# Altium PCB POV_LED.PcbDoc (part 2 of 2)
Units mm, origin at the board's own origin, x right, y up, seen from the top; angles counter-clockwise.
Board outline 40 x 140 mm, 2 copper layers (Top Layer, Bottom Layer); 331 components, 319 nets, 969 pads, 326 vias.
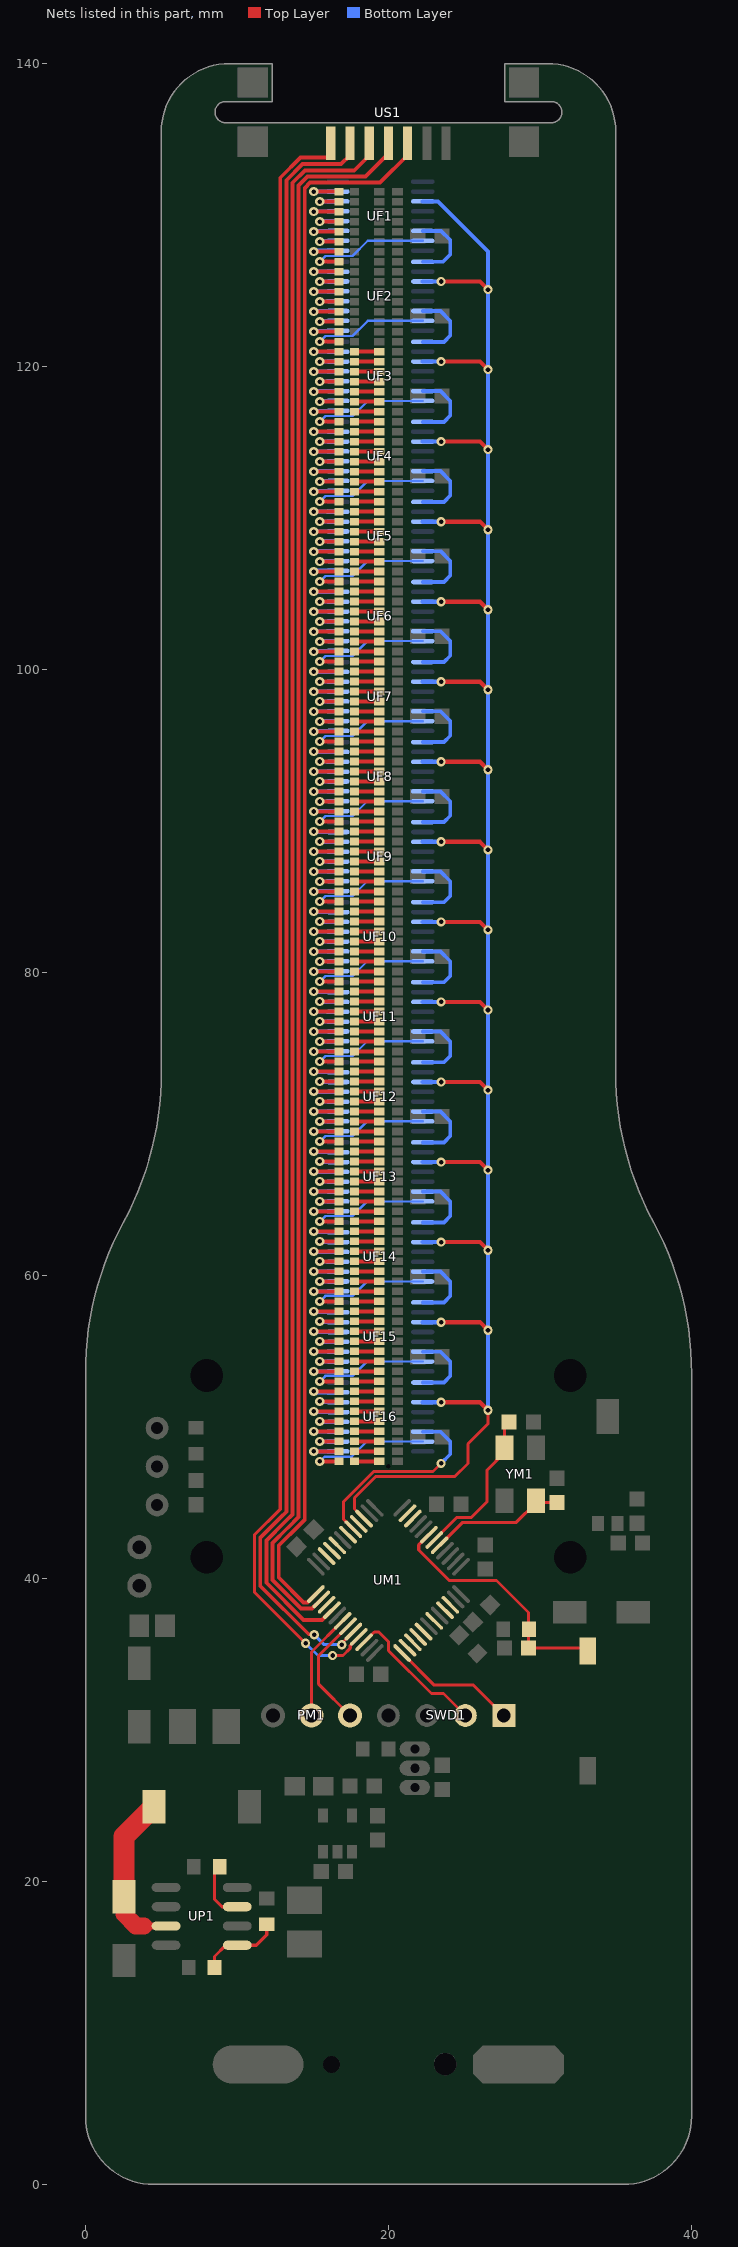
[diagram p2: the nets of this part, all layers, seen from the top]

## Via types
v1: diameter 0.61, hole 0.3, Top Layer to Bottom Layer, tented both sides, 323 vias
v2: diameter 1, hole 0.5, Top Layer to Bottom Layer, tented both sides, 2 vias
v3: diameter 0.8, hole 0.4, Top Layer to Bottom Layer, tented both sides, 1 vias

## Nets (pads, with @x,y where several pads share a name; then routed paths per layer and width w, separated by ;. In a path a pad name is that pad's centre, name@x,y a point inside that pad or via, vN(x,y) a via of type N, cw(c..) or ccw(c..) an arc to the next point about the centre after c; other vN are vias at no path point) (continued)
NetDF17_1: DF17.1 RF17.2 | length 1.7
  Top Layer w0.254: RF17.2@17.744,120.987 DF17.1@19.397,120.987
NetDF18_1: DF18.1 RF18.2 | length 1.7
  Top Layer w0.254: RF18.2@17.744,120.327 DF18.1@19.397,120.327
NetDF19_1: DF19.1 RF19.2 | length 1.7
  Top Layer w0.254: RF19.2@17.744,119.667 DF19.1@19.397,119.667
NetDF20_1: DF20.1 RF20.2 | length 1.7
  Top Layer w0.254: RF20.2@17.744,119.007 DF20.1@19.397,119.007
NetDF21_1: DF21.1 RF21.2 | length 1.7
  Top Layer w0.254: RF21.2@17.744,118.347 DF21.1@19.397,118.347
NetDF22_1: DF22.1 RF22.2 | length 1.7
  Top Layer w0.254: RF22.2@17.744,117.687 DF22.1@19.397,117.687
NetDF23_1: DF23.1 RF23.2 | length 1.7
  Top Layer w0.254: RF23.2@17.744,117.027 DF23.1@19.397,117.027
NetDF24_1: DF24.1 RF24.2 | length 1.7
  Top Layer w0.254: RF24.2@17.744,116.367 DF24.1@19.397,116.367
NetDF25_1: DF25.1 RF25.2 | length 1.7
  Top Layer w0.254: RF25.2@17.744,115.707 DF25.1@19.397,115.707
NetDF26_1: DF26.1 RF26.2 | length 1.7
  Top Layer w0.254: RF26.2@17.744,115.047 DF26.1@19.397,115.047
NetDF27_1: DF27.1 RF27.2 | length 1.7
  Top Layer w0.254: RF27.2@17.744,114.387 DF27.1@19.397,114.387
NetDF28_1: DF28.1 RF28.2 | length 1.7
  Top Layer w0.254: RF28.2@17.744,113.727 DF28.1@19.397,113.727
NetDF29_1: DF29.1 RF29.2 | length 1.7
  Top Layer w0.254: RF29.2@17.744,113.067 DF29.1@19.397,113.067
NetDF30_1: DF30.1 RF30.2 | length 1.7
  Top Layer w0.254: RF30.2@17.744,112.407 DF30.1@19.397,112.407
NetDF31_1: DF31.1 RF31.2 | length 1.7
  Top Layer w0.254: RF31.2@17.744,111.747 DF31.1@19.397,111.747
NetDF32_1: DF32.1 RF32.2 | length 1.7
  Top Layer w0.254: RF32.2@17.744,111.087 DF32.1@19.397,111.087
NetDF33_1: DF33.1 RF33.2 | length 1.7
  Top Layer w0.254: RF33.2@17.744,110.427 DF33.1@19.397,110.427
NetDF34_1: DF34.1 RF34.2 | length 1.7
  Top Layer w0.254: RF34.2@17.744,109.767 DF34.1@19.397,109.767
NetDF35_1: DF35.1 RF35.2 | length 1.7
  Top Layer w0.254: RF35.2@17.744,109.107 DF35.1@19.397,109.107
NetDF36_1: DF36.1 RF36.2 | length 1.7
  Top Layer w0.254: RF36.2@17.744,108.447 DF36.1@19.397,108.447
NetDF37_1: DF37.1 RF37.2 | length 1.7
  Top Layer w0.254: RF37.2@17.744,107.787 DF37.1@19.397,107.787
NetDF38_1: DF38.1 RF38.2 | length 1.7
  Top Layer w0.254: RF38.2@17.744,107.127 DF38.1@19.397,107.127
NetDF39_1: DF39.1 RF39.2 | length 1.7
  Top Layer w0.254: RF39.2@17.744,106.467 DF39.1@19.397,106.467
NetDF40_1: DF40.1 RF40.2 | length 1.7
  Top Layer w0.254: RF40.2@17.744,105.807 DF40.1@19.397,105.807
NetDF41_1: DF41.1 RF41.2 | length 1.7
  Top Layer w0.254: RF41.2@17.744,105.147 DF41.1@19.397,105.147
NetDF42_1: DF42.1 RF42.2 | length 1.7
  Top Layer w0.254: RF42.2@17.744,104.487 DF42.1@19.397,104.487
NetDF43_1: DF43.1 RF43.2 | length 1.7
  Top Layer w0.254: RF43.2@17.744,103.827 DF43.1@19.397,103.827
NetDF44_1: DF44.1 RF44.2 | length 1.7
  Top Layer w0.254: RF44.2@17.744,103.167 DF44.1@19.397,103.167
NetDF45_1: DF45.1 RF45.2 | length 1.7
  Top Layer w0.254: RF45.2@17.744,102.507 DF45.1@19.397,102.507
NetDF46_1: DF46.1 RF46.2 | length 1.7
  Top Layer w0.254: RF46.2@17.744,101.847 DF46.1@19.397,101.847
NetDF47_1: DF47.1 RF47.2 | length 1.7
  Top Layer w0.254: RF47.2@17.744,101.187 DF47.1@19.397,101.187
NetDF48_1: DF48.1 RF48.2 | length 1.7
  Top Layer w0.254: RF48.2@17.744,100.527 DF48.1@19.397,100.527
NetDF49_1: DF49.1 RF49.2 | length 1.7
  Top Layer w0.254: RF49.2@17.744,99.867 DF49.1@19.397,99.867
NetDF50_1: DF50.1 RF50.2 | length 1.7
  Top Layer w0.254: RF50.2@17.744,99.207 DF50.1@19.397,99.207
NetDF51_1: DF51.1 RF51.2 | length 1.7
  Top Layer w0.254: RF51.2@17.744,98.547 DF51.1@19.397,98.547
NetDF52_1: DF52.1 RF52.2 | length 1.7
  Top Layer w0.254: RF52.2@17.744,97.887 DF52.1@19.397,97.887
NetDF53_1: DF53.1 RF53.2 | length 1.7
  Top Layer w0.254: RF53.2@17.744,97.227 DF53.1@19.397,97.227
NetDF54_1: DF54.1 RF54.2 | length 1.7
  Top Layer w0.254: RF54.2@17.744,96.567 DF54.1@19.397,96.567
NetDF55_1: DF55.1 RF55.2 | length 1.7
  Top Layer w0.254: RF55.2@17.744,95.907 DF55.1@19.397,95.907
NetDF56_1: DF56.1 RF56.2 | length 1.7
  Top Layer w0.254: RF56.2@17.744,95.247 DF56.1@19.397,95.247
NetDF57_1: DF57.1 RF57.2 | length 1.7
  Top Layer w0.254: RF57.2@17.744,94.587 DF57.1@19.397,94.587
NetDF58_1: DF58.1 RF58.2 | length 1.7
  Top Layer w0.254: RF58.2@17.744,93.927 DF58.1@19.397,93.927
NetDF59_1: DF59.1 RF59.2 | length 1.7
  Top Layer w0.254: RF59.2@17.744,93.267 DF59.1@19.397,93.267
NetDF60_1: DF60.1 RF60.2 | length 1.7
  Top Layer w0.254: RF60.2@17.744,92.607 DF60.1@19.397,92.607
NetDF61_1: DF61.1 RF61.2 | length 1.7
  Top Layer w0.254: RF61.2@17.744,91.947 DF61.1@19.397,91.947
NetDF62_1: DF62.1 RF62.2 | length 1.7
  Top Layer w0.254: RF62.2@17.744,91.287 DF62.1@19.397,91.287
NetDF63_1: DF63.1 RF63.2 | length 1.7
  Top Layer w0.254: RF63.2@17.744,90.627 DF63.1@19.397,90.627
NetDF64_1: DF64.1 RF64.2 | length 1.7
  Top Layer w0.254: RF64.2@17.744,89.967 DF64.1@19.397,89.967
NetDF65_1: DF65.1 RF65.2 | length 1.7
  Top Layer w0.254: RF65.2@17.744,89.307 DF65.1@19.397,89.307
NetDF66_1: DF66.1 RF66.2 | length 1.7
  Top Layer w0.254: RF66.2@17.744,88.647 DF66.1@19.397,88.647
NetDF67_1: DF67.1 RF67.2 | length 1.7
  Top Layer w0.254: RF67.2@17.744,87.987 DF67.1@19.397,87.987
NetDF68_1: DF68.1 RF68.2 | length 1.7
  Top Layer w0.254: RF68.2@17.744,87.327 DF68.1@19.397,87.327
NetDF69_1: DF69.1 RF69.2 | length 1.7
  Top Layer w0.254: RF69.2@17.744,86.667 DF69.1@19.397,86.667
NetDF70_1: DF70.1 RF70.2 | length 1.7
  Top Layer w0.254: RF70.2@17.744,86.007 DF70.1@19.397,86.007
NetDF71_1: DF71.1 RF71.2 | length 1.7
  Top Layer w0.254: RF71.2@17.744,85.347 DF71.1@19.397,85.347
NetDF72_1: DF72.1 RF72.2 | length 1.7
  Top Layer w0.254: RF72.2@17.744,84.687 DF72.1@19.397,84.687
NetDF73_1: DF73.1 RF73.2 | length 1.7
  Top Layer w0.254: RF73.2@17.744,84.027 DF73.1@19.397,84.027
NetDF74_1: DF74.1 RF74.2 | length 1.7
  Top Layer w0.254: RF74.2@17.744,83.367 DF74.1@19.397,83.367
NetDF75_1: DF75.1 RF75.2 | length 1.7
  Top Layer w0.254: RF75.2@17.744,82.707 DF75.1@19.397,82.707
NetDF76_1: DF76.1 RF76.2 | length 1.7
  Top Layer w0.254: RF76.2@17.744,82.047 DF76.1@19.397,82.047
NetDF77_1: DF77.1 RF77.2 | length 1.7
  Top Layer w0.254: RF77.2@17.744,81.387 DF77.1@19.397,81.387
NetDF78_1: DF78.1 RF78.2 | length 1.7
  Top Layer w0.254: RF78.2@17.744,80.727 DF78.1@19.397,80.727
NetDF79_1: DF79.1 RF79.2 | length 1.7
  Top Layer w0.254: RF79.2@17.744,80.067 DF79.1@19.397,80.067
NetDF80_1: DF80.1 RF80.2 | length 1.7
  Top Layer w0.254: RF80.2@17.744,79.407 DF80.1@19.397,79.407
NetDF81_1: DF81.1 RF81.2 | length 1.7
  Top Layer w0.254: RF81.2@17.744,78.747 DF81.1@19.397,78.747
NetDF82_1: DF82.1 RF82.2 | length 1.7
  Top Layer w0.254: RF82.2@17.744,78.087 DF82.1@19.397,78.087
NetDF83_1: DF83.1 RF83.2 | length 1.7
  Top Layer w0.254: RF83.2@17.744,77.427 DF83.1@19.397,77.427
NetDF84_1: DF84.1 RF84.2 | length 1.7
  Top Layer w0.254: RF84.2@17.744,76.767 DF84.1@19.397,76.767
NetDF85_1: DF85.1 RF85.2 | length 1.7
  Top Layer w0.254: RF85.2@17.744,76.107 DF85.1@19.397,76.107
NetDF86_1: DF86.1 RF86.2 | length 1.7
  Top Layer w0.254: RF86.2@17.744,75.447 DF86.1@19.397,75.447
NetDF87_1: DF87.1 RF87.2 | length 1.7
  Top Layer w0.254: RF87.2@17.744,74.787 DF87.1@19.397,74.787
NetDF88_1: DF88.1 RF88.2 | length 1.7
  Top Layer w0.254: RF88.2@17.744,74.127 DF88.1@19.397,74.127
NetDF89_1: DF89.1 RF89.2 | length 1.7
  Top Layer w0.254: RF89.2@17.744,73.467 DF89.1@19.397,73.467
NetDF90_1: DF90.1 RF90.2 | length 1.7
  Top Layer w0.254: RF90.2@17.744,72.807 DF90.1@19.397,72.807
NetDF91_1: DF91.1 RF91.2 | length 1.7
  Top Layer w0.254: RF91.2@17.744,72.147 DF91.1@19.397,72.147
NetDF92_1: DF92.1 RF92.2 | length 1.7
  Top Layer w0.254: RF92.2@17.744,71.487 DF92.1@19.397,71.487
NetDF93_1: DF93.1 RF93.2 | length 1.7
  Top Layer w0.254: RF93.2@17.744,70.827 DF93.1@19.397,70.827
NetDF94_1: DF94.1 RF94.2 | length 1.7
  Top Layer w0.254: RF94.2@17.744,70.167 DF94.1@19.397,70.167
NetDF95_1: DF95.1 RF95.2 | length 1.7
  Top Layer w0.254: RF95.2@17.744,69.507 DF95.1@19.397,69.507
NetDF96_1: DF96.1 RF96.2 | length 1.7
  Top Layer w0.254: RF96.2@17.744,68.847 DF96.1@19.397,68.847
NetDF97_1: DF97.1 RF97.2 | length 1.7
  Top Layer w0.254: RF97.2@17.744,68.187 DF97.1@19.397,68.187
NetDF98_1: DF98.1 RF98.2 | length 1.7
  Top Layer w0.254: RF98.2@17.744,67.527 DF98.1@19.397,67.527
NetDF99_1: DF99.1 RF99.2 | length 1.7
  Top Layer w0.254: RF99.2@17.744,66.867 DF99.1@19.397,66.867
NetDF100_1: DF100.1 RF100.2 | length 1.7
  Top Layer w0.254: RF100.2@17.744,66.207 DF100.1@19.397,66.207
NetDF101_1: DF101.1 RF101.2 | length 1.7
  Top Layer w0.254: RF101.2@17.744,65.547 DF101.1@19.397,65.547
NetDF102_1: DF102.1 RF102.2 | length 1.7
  Top Layer w0.254: RF102.2@17.744,64.887 DF102.1@19.397,64.887
NetDF103_1: DF103.1 RF103.2 | length 1.7
  Top Layer w0.254: RF103.2@17.744,64.227 DF103.1@19.397,64.227
NetDF104_1: DF104.1 RF104.2 | length 1.7
  Top Layer w0.254: RF104.2@17.744,63.567 DF104.1@19.397,63.567
NetDF105_1: DF105.1 RF105.2 | length 1.7
  Top Layer w0.254: RF105.2@17.744,62.907 DF105.1@19.397,62.907
NetDF106_1: DF106.1 RF106.2 | length 1.7
  Top Layer w0.254: RF106.2@17.744,62.247 DF106.1@19.397,62.247
NetDF107_1: DF107.1 RF107.2 | length 1.7
  Top Layer w0.254: RF107.2@17.744,61.587 DF107.1@19.397,61.587
NetDF108_1: DF108.1 RF108.2 | length 1.7
  Top Layer w0.254: RF108.2@17.744,60.927 DF108.1@19.397,60.927
NetDF109_1: DF109.1 RF109.2 | length 1.7
  Top Layer w0.254: RF109.2@17.744,60.267 DF109.1@19.397,60.267
NetDF110_1: DF110.1 RF110.2 | length 1.7
  Top Layer w0.254: RF110.2@17.744,59.607 DF110.1@19.397,59.607
NetDF111_1: DF111.1 RF111.2 | length 1.7
  Top Layer w0.254: RF111.2@17.744,58.947 DF111.1@19.397,58.947
NetDF112_1: DF112.1 RF112.2 | length 1.7
  Top Layer w0.254: RF112.2@17.744,58.287 DF112.1@19.397,58.287
NetDF113_1: DF113.1 RF113.2 | length 1.7
  Top Layer w0.254: RF113.2@17.744,57.627 DF113.1@19.397,57.627
NetDF114_1: DF114.1 RF114.2 | length 1.7
  Top Layer w0.254: RF114.2@17.744,56.967 DF114.1@19.397,56.967
NetDF115_1: DF115.1 RF115.2 | length 1.7
  Top Layer w0.254: RF115.2@17.744,56.307 DF115.1@19.397,56.307
NetDF116_1: DF116.1 RF116.2 | length 1.7
  Top Layer w0.254: RF116.2@17.744,55.647 DF116.1@19.397,55.647
NetDF117_1: DF117.1 RF117.2 | length 1.7
  Top Layer w0.254: RF117.2@17.744,54.987 DF117.1@19.397,54.987
NetDF118_1: DF118.1 RF118.2 | length 1.7
  Top Layer w0.254: RF118.2@17.744,54.327 DF118.1@19.397,54.327
NetDF119_1: DF119.1 RF119.2 | length 1.7
  Top Layer w0.254: RF119.2@17.744,53.667 DF119.1@19.397,53.667
NetDF120_1: DF120.1 RF120.2 | length 1.7
  Top Layer w0.254: RF120.2@17.744,53.007 DF120.1@19.397,53.007
NetDF121_1: DF121.1 RF121.2 | length 1.7
  Top Layer w0.254: RF121.2@17.744,52.347 DF121.1@19.397,52.347
NetDF122_1: DF122.1 RF122.2 | length 1.7
  Top Layer w0.254: RF122.2@17.744,51.687 DF122.1@19.397,51.687
NetDF123_1: DF123.1 RF123.2 | length 1.7
  Top Layer w0.254: RF123.2@17.744,51.027 DF123.1@19.397,51.027
NetDF124_1: DF124.1 RF124.2 | length 1.7
  Top Layer w0.254: RF124.2@17.744,50.367 DF124.1@19.397,50.367
NetDF125_1: DF125.1 RF125.2 | length 1.7
  Top Layer w0.254: RF125.2@17.744,49.707 DF125.1@19.397,49.707
NetDF126_1: DF126.1 RF126.2 | length 1.7
  Top Layer w0.254: RF126.2@17.744,49.047 DF126.1@19.397,49.047
NetDF127_1: DF127.1 RF127.2 | length 1.7
  Top Layer w0.254: RF127.2@17.744,48.387 DF127.1@19.397,48.387
NetDF128_1: DF128.1 RF128.2 | length 1.7
  Top Layer w0.254: RF128.2@17.744,47.727 DF128.1@19.397,47.727
NetDP2_2: DP2.2 LP2.1 UP1.3 | length 10.5
  Top Layer w0.483: 2.54,17.851 DP2.2@2.54,18.986 ; UP1.3@4.371,17.064 UP1.3@5.319,17.064
  Top Layer w1.143: 2.54,17.851 3.325,17.066 3.861,17.066
  Top Layer w1.397: DP2.2@2.54,18.986 2.54,22.959 LP2.1@4.519,24.938
NetRF1_1: RF1.1 UF1.7 | length 3.3
  Top Layer w0.254: v1(15.06,131.546) RF1.1@16.744,131.546
  Bottom Layer w0.254: v1(15.06,131.546) UF1.7@16.66,131.546
NetRF2_1: RF2.1 UF1.6 | length 2.5
  Top Layer w0.254: v1(15.466,130.886) RF2.1@16.744,130.886
  Bottom Layer w0.254: v1@15.476,130.896 UF1.6@16.66,130.896
NetRF3_1: RF3.1 UF1.5 | length 3.3
  Top Layer w0.254: v1(15.06,130.226) RF3.1@16.744,130.226
  Bottom Layer w0.254: v1@15.06,130.246 UF1.5@16.66,130.246
NetRF4_1: RF4.1 UF1.4 | length 2.5
  Top Layer w0.254: v1(15.466,129.566) RF4.1@16.744,129.566
  Bottom Layer w0.254: v1@15.476,129.596 UF1.4@16.66,129.596
NetRF5_1: RF5.1 UF1.3 | length 3.3
  Top Layer w0.254: v1(15.06,128.906) RF5.1@16.744,128.906
  Bottom Layer w0.254: v1@15.06,128.946 UF1.3@16.66,128.946
NetRF6_1: RF6.1 UF1.2 | length 2.5
  Top Layer w0.254: v1(15.466,128.247) RF6.1@16.744,128.247
  Bottom Layer w0.254: v1@15.476,128.296 UF1.2@16.66,128.296
NetRF7_1: RF7.1 UF1.1 | length 3.3
  Top Layer w0.254: v1(15.06,127.587) RF7.1@16.744,127.587
  Bottom Layer w0.254: v1@15.06,127.646 UF1.1@16.66,127.646
NetRF8_1: RF8.1 UF1.15 | length 8.6
  Top Layer w0.254: v1(15.466,126.927) RF8.1@16.744,126.927
  Bottom Layer w0.152: v1(15.466,126.927) 15.833,127.293 17.628,127.293 18.631,128.296 UF1.15@22.26,128.296
NetRF9_1: RF9.1 UF2.7 | length 3.3
  Top Layer w0.254: v1(15.06,126.267) RF9.1@16.744,126.267
  Bottom Layer w0.254: v1@15.06,126.263 UF2.7@16.66,126.263
NetRF10_1: RF10.1 UF2.6 | length 2.5
  Top Layer w0.254: v1(15.466,125.607) RF10.1@16.744,125.607
  Bottom Layer w0.254: v1@15.476,125.613 UF2.6@16.66,125.613
NetRF11_1: RF11.1 UF2.5 | length 3.3
  Top Layer w0.254: v1(15.06,124.947) RF11.1@16.744,124.947
  Bottom Layer w0.254: v1@15.06,124.963 UF2.5@16.66,124.963
NetRF12_1: RF12.1 UF2.4 | length 2.5
  Top Layer w0.254: v1(15.466,124.287) RF12.1@16.744,124.287
  Bottom Layer w0.254: v1@15.476,124.313 UF2.4@16.66,124.313
NetRF13_1: RF13.1 UF2.3 | length 3.3
  Top Layer w0.254: v1(15.06,123.627) RF13.1@16.744,123.627
  Bottom Layer w0.254: v1@15.06,123.663 UF2.3@16.66,123.663
NetRF14_1: RF14.1 UF2.2 | length 2.5
  Top Layer w0.254: v1(15.466,122.967) RF14.1@16.744,122.967
  Bottom Layer w0.254: v1@15.476,123.013 UF2.2@16.66,123.013
NetRF15_1: RF15.1 UF2.1 | length 3.3
  Top Layer w0.254: v1(15.06,122.307) RF15.1@16.744,122.307
  Bottom Layer w0.254: v1@15.06,122.363 UF2.1@16.66,122.363
NetRF16_1: RF16.1 UF2.15 | length 8.6
  Top Layer w0.254: v1(15.466,121.647) RF16.1@16.744,121.647
  Bottom Layer w0.152: v1(15.466,121.647) 15.833,122.013 17.628,122.013 18.627,123.013 UF2.15@22.26,123.013
NetRF17_1: RF17.1 UF3.7 | length 3.3
  Top Layer w0.254: v1(15.06,120.987) RF17.1@16.744,120.987
  Bottom Layer w0.254: v1@15.06,120.979 UF3.7@16.66,120.979
NetRF18_1: RF18.1 UF3.6 | length 2.5
  Top Layer w0.254: v1(15.466,120.327) RF18.1@16.744,120.327
  Bottom Layer w0.254: v1@15.476,120.329 UF3.6@16.66,120.329
NetRF19_1: RF19.1 UF3.5 | length 3.3
  Top Layer w0.254: v1(15.06,119.667) RF19.1@16.744,119.667
  Bottom Layer w0.254: v1@15.06,119.679 UF3.5@16.66,119.679
NetRF20_1: RF20.1 UF3.4 | length 2.5
  Top Layer w0.254: v1(15.466,119.007) RF20.1@16.744,119.007
  Bottom Layer w0.254: v1@15.476,119.029 UF3.4@16.66,119.029
NetRF21_1: RF21.1 UF3.3 | length 3.3
  Top Layer w0.254: v1(15.06,118.347) RF21.1@16.744,118.347
  Bottom Layer w0.254: v1@15.06,118.379 UF3.3@16.66,118.379
NetRF22_1: RF22.1 UF3.2 | length 2.5
  Top Layer w0.254: v1(15.466,117.687) RF22.1@16.744,117.687
  Bottom Layer w0.254: v1@15.476,117.729 UF3.2@16.66,117.729
NetRF23_1: RF23.1 UF3.1 | length 3.3
  Top Layer w0.254: v1(15.06,117.027) RF23.1@16.744,117.027
  Bottom Layer w0.254: v1@15.06,117.079 UF3.1@16.66,117.079
NetRF24_1: RF24.1 UF3.15 | length 8.6
  Top Layer w0.254: v1(15.466,116.367) RF24.1@16.744,116.367
  Bottom Layer w0.152: v1(15.466,116.367) 15.833,116.733 17.628,116.733 18.623,117.729 UF3.15@22.26,117.729
NetRF25_1: RF25.1 UF4.7 | length 3.3
  Top Layer w0.254: v1(15.06,115.707) RF25.1@16.744,115.707
  Bottom Layer w0.254: v1@15.06,115.695 UF4.7@16.66,115.695
NetRF26_1: RF26.1 UF4.6 | length 2.5
  Top Layer w0.254: v1(15.466,115.047) RF26.1@16.744,115.047
  Bottom Layer w0.254: v1@15.476,115.045 UF4.6@16.66,115.045
NetRF27_1: RF27.1 UF4.5 | length 3.3
  Top Layer w0.254: v1(15.06,114.387) RF27.1@16.744,114.387
  Bottom Layer w0.254: v1@15.06,114.395 UF4.5@16.66,114.395
NetRF28_1: RF28.1 UF4.4 | length 2.5
  Top Layer w0.254: v1(15.466,113.727) RF28.1@16.744,113.727
  Bottom Layer w0.254: v1@15.476,113.745 UF4.4@16.66,113.745
NetRF29_1: RF29.1 UF4.3 | length 3.3
  Top Layer w0.254: v1(15.06,113.067) RF29.1@16.744,113.067
  Bottom Layer w0.254: v1@15.06,113.095 UF4.3@16.66,113.095
NetRF30_1: RF30.1 UF4.2 | length 2.5
  Top Layer w0.254: v1(15.466,112.407) RF30.1@16.744,112.407
  Bottom Layer w0.254: v1@15.476,112.445 UF4.2@16.66,112.445
NetRF31_1: RF31.1 UF4.1 | length 3.3
  Top Layer w0.254: v1(15.06,111.747) RF31.1@16.744,111.747
  Bottom Layer w0.254: v1@15.06,111.795 UF4.1@16.66,111.795
NetRF32_1: RF32.1 UF4.15 | length 8.6
  Top Layer w0.254: v1(15.466,111.087) RF32.1@16.744,111.087
  Bottom Layer w0.152: v1(15.466,111.087) 15.833,111.453 17.628,111.453 18.619,112.445 UF4.15@22.26,112.445
NetRF33_1: RF33.1 UF5.7 | length 3.3
  Top Layer w0.254: v1(15.06,110.427) RF33.1@16.744,110.427
  Bottom Layer w0.254: v1@15.144,110.427 UF5.7@16.744,110.427
NetRF34_1: RF34.1 UF5.6 | length 2.5
  Top Layer w0.254: v1(15.466,109.767) RF34.1@16.744,109.767
  Bottom Layer w0.254: v1@15.561,109.777 UF5.6@16.744,109.777
NetRF35_1: RF35.1 UF5.5 | length 3.3
  Top Layer w0.254: v1(15.06,109.107) RF35.1@16.744,109.107
  Bottom Layer w0.254: v1@15.144,109.127 UF5.5@16.744,109.127
NetRF36_1: RF36.1 UF5.4 | length 2.5
  Top Layer w0.254: v1(15.466,108.447) RF36.1@16.744,108.447
  Bottom Layer w0.254: v1@15.561,108.477 UF5.4@16.744,108.477
NetRF37_1: RF37.1 UF5.3 | length 3.3
  Top Layer w0.254: v1(15.06,107.787) RF37.1@16.744,107.787
  Bottom Layer w0.254: v1@15.144,107.827 UF5.3@16.744,107.827
NetRF38_1: RF38.1 UF5.2 | length 2.5
  Top Layer w0.254: v1(15.466,107.127) RF38.1@16.744,107.127
  Bottom Layer w0.254: v1@15.561,107.177 UF5.2@16.744,107.177
NetRF39_1: RF39.1 UF5.1 | length 3.3
  Top Layer w0.254: v1(15.06,106.467) RF39.1@16.744,106.467
  Bottom Layer w0.254: v1@15.144,106.527 UF5.1@16.744,106.527
NetRF40_1: RF40.1 UF5.15 | length 8.6
  Top Layer w0.254: v1(15.466,105.807) RF40.1@16.744,105.807
  Bottom Layer w0.152: v1(15.466,105.807) 15.833,106.173 17.628,106.173 18.615,107.161 UF5.15@22.26,107.161
NetRF41_1: RF41.1 UF6.7 | length 3.3
  Top Layer w0.254: v1(15.06,105.147) RF41.1@16.744,105.147
  Bottom Layer w0.254: v1@15.06,105.127 UF6.7@16.66,105.127
NetRF42_1: RF42.1 UF6.6 | length 2.5
  Top Layer w0.254: v1(15.466,104.487) RF42.1@16.744,104.487
  Bottom Layer w0.254: v1@15.476,104.477 UF6.6@16.66,104.477
NetRF43_1: RF43.1 UF6.5 | length 3.3
  Top Layer w0.254: v1(15.06,103.827) RF43.1@16.744,103.827
  Bottom Layer w0.254: v1(15.06,103.827) UF6.5@16.66,103.827
NetRF44_1: RF44.1 UF6.4 | length 2.5
  Top Layer w0.254: v1(15.466,103.167) RF44.1@16.744,103.167
  Bottom Layer w0.254: v1@15.476,103.177 UF6.4@16.66,103.177
NetRF45_1: RF45.1 UF6.3 | length 3.3
  Top Layer w0.254: v1(15.06,102.507) RF45.1@16.744,102.507
  Bottom Layer w0.254: v1@15.06,102.527 UF6.3@16.66,102.527
NetRF46_1: RF46.1 UF6.2 | length 2.5
  Top Layer w0.254: v1(15.466,101.847) RF46.1@16.744,101.847
  Bottom Layer w0.254: v1@15.476,101.877 UF6.2@16.66,101.877
NetRF47_1: RF47.1 UF6.1 | length 3.3
  Top Layer w0.254: v1(15.06,101.187) RF47.1@16.744,101.187
  Bottom Layer w0.254: v1@15.06,101.227 UF6.1@16.66,101.227
NetRF48_1: RF48.1 UF6.15 | length 8.6
  Top Layer w0.254: v1(15.466,100.527) RF48.1@16.744,100.527
  Bottom Layer w0.152: v1(15.466,100.527) 15.833,100.893 17.628,100.893 18.611,101.877 UF6.15@22.26,101.877
NetRF49_1: RF49.1 UF7.7 | length 3.3
  Top Layer w0.254: v1(15.06,99.867) RF49.1@16.744,99.867
  Bottom Layer w0.254: v1@15.06,99.843 UF7.7@16.66,99.843
NetRF50_1: RF50.1 UF7.6 | length 2.5
  Top Layer w0.254: v1(15.466,99.207) RF50.1@16.744,99.207
  Bottom Layer w0.254: v1@15.476,99.193 UF7.6@16.66,99.193
NetRF51_1: RF51.1 UF7.5 | length 3.3
  Top Layer w0.254: v1(15.06,98.547) RF51.1@16.744,98.547
  Bottom Layer w0.254: v1@15.06,98.543 UF7.5@16.66,98.543
NetRF52_1: RF52.1 UF7.4 | length 2.5
  Top Layer w0.254: v1(15.466,97.887) RF52.1@16.744,97.887
  Bottom Layer w0.254: v1@15.476,97.893 UF7.4@16.66,97.893
NetRF53_1: RF53.1 UF7.3 | length 3.3
  Top Layer w0.254: v1(15.06,97.227) RF53.1@16.744,97.227
  Bottom Layer w0.254: v1@15.06,97.243 UF7.3@16.66,97.243
NetRF54_1: RF54.1 UF7.2 | length 2.5
  Top Layer w0.254: v1(15.466,96.567) RF54.1@16.744,96.567
  Bottom Layer w0.254: v1@15.476,96.593 UF7.2@16.66,96.593
NetRF55_1: RF55.1 UF7.1 | length 3.3
  Top Layer w0.254: v1(15.06,95.907) RF55.1@16.744,95.907
  Bottom Layer w0.254: v1@15.06,95.943 UF7.1@16.66,95.943
NetRF56_1: RF56.1 UF7.15 | length 8.6
  Top Layer w0.254: v1(15.466,95.247) RF56.1@16.744,95.247
  Bottom Layer w0.152: v1(15.466,95.247) 15.833,95.613 17.628,95.613 18.607,96.593 UF7.15@22.26,96.593
NetRF57_1: RF57.1 UF8.7 | length 3.3
  Top Layer w0.254: v1(15.06,94.587) RF57.1@16.744,94.587
  Bottom Layer w0.254: v1@15.06,94.559 UF8.7@16.66,94.559
NetRF58_1: RF58.1 UF8.6 | length 2.5
  Top Layer w0.254: v1(15.466,93.927) RF58.1@16.744,93.927
  Bottom Layer w0.254: v1@15.476,93.909 UF8.6@16.66,93.909
NetRF59_1: RF59.1 UF8.5 | length 3.3
  Top Layer w0.254: v1(15.06,93.267) RF59.1@16.744,93.267
  Bottom Layer w0.254: v1@15.06,93.259 UF8.5@16.66,93.259
NetRF60_1: RF60.1 UF8.4 | length 2.5
  Top Layer w0.254: v1(15.466,92.607) RF60.1@16.744,92.607
  Bottom Layer w0.254: v1@15.476,92.609 UF8.4@16.66,92.609
NetRF61_1: RF61.1 UF8.3 | length 3.3
  Top Layer w0.254: v1(15.06,91.947) RF61.1@16.744,91.947
  Bottom Layer w0.254: v1@15.06,91.959 UF8.3@16.66,91.959
NetRF62_1: RF62.1 UF8.2 | length 2.5
  Top Layer w0.254: v1(15.466,91.287) RF62.1@16.744,91.287
  Bottom Layer w0.254: v1@15.476,91.309 UF8.2@16.66,91.309
NetRF63_1: RF63.1 UF8.1 | length 3.3
  Top Layer w0.254: v1(15.06,90.627) RF63.1@16.744,90.627
  Bottom Layer w0.254: v1@15.06,90.659 UF8.1@16.66,90.659
NetRF64_1: RF64.1 UF8.15 | length 8.6
  Top Layer w0.254: v1(15.466,89.967) RF64.1@16.744,89.967
  Bottom Layer w0.152: v1(15.466,89.967) 15.833,90.333 17.628,90.333 18.603,91.309 UF8.15@22.26,91.309
NetRF65_1: RF65.1 UF9.7 | length 3.3
  Top Layer w0.254: v1(15.06,89.307) RF65.1@16.744,89.307
  Bottom Layer w0.254: v1@15.06,89.275 UF9.7@16.66,89.275
NetRF66_1: RF66.1 UF9.6 | length 2.5
  Top Layer w0.254: v1(15.466,88.647) RF66.1@16.744,88.647
  Bottom Layer w0.254: v1@15.476,88.625 UF9.6@16.66,88.625
NetRF67_1: RF67.1 UF9.5 | length 3.3
  Top Layer w0.254: v1(15.06,87.987) RF67.1@16.744,87.987
  Bottom Layer w0.254: v1@15.06,87.975 UF9.5@16.66,87.975
NetRF68_1: RF68.1 UF9.4 | length 2.5
  Top Layer w0.254: v1(15.466,87.327) RF68.1@16.744,87.327
  Bottom Layer w0.254: v1@15.476,87.325 UF9.4@16.66,87.325
NetRF69_1: RF69.1 UF9.3 | length 3.3
  Top Layer w0.254: v1(15.06,86.667) RF69.1@16.744,86.667
  Bottom Layer w0.254: v1@15.06,86.675 UF9.3@16.66,86.675
NetRF70_1: RF70.1 UF9.2 | length 2.5
  Top Layer w0.254: v1(15.466,86.007) RF70.1@16.744,86.007
  Bottom Layer w0.254: v1@15.476,86.025 UF9.2@16.66,86.025
NetRF71_1: RF71.1 UF9.1 | length 3.3
  Top Layer w0.254: v1(15.06,85.347) RF71.1@16.744,85.347
  Bottom Layer w0.254: v1@15.06,85.375 UF9.1@16.66,85.375
NetRF72_1: RF72.1 UF9.15 | length 8.6
  Top Layer w0.254: v1(15.466,84.687) RF72.1@16.744,84.687
  Bottom Layer w0.152: v1(15.466,84.687) 15.833,85.054 17.628,85.054 18.599,86.025 UF9.15@22.26,86.025
NetRF73_1: RF73.1 UF10.7 | length 3.3
  Top Layer w0.254: v1(15.06,84.027) RF73.1@16.744,84.027
  Bottom Layer w0.254: v1@15.06,83.991 UF10.7@16.66,83.991
NetRF74_1: RF74.1 UF10.6 | length 2.5
  Top Layer w0.254: v1(15.466,83.367) RF74.1@16.744,83.367
  Bottom Layer w0.254: v1@15.476,83.341 UF10.6@16.66,83.341
NetRF75_1: RF75.1 UF10.5 | length 3.3
  Top Layer w0.254: v1(15.06,82.707) RF75.1@16.744,82.707
  Bottom Layer w0.254: v1@15.06,82.691 UF10.5@16.66,82.691
NetRF76_1: RF76.1 UF10.4 | length 2.5
  Top Layer w0.254: v1(15.466,82.047) RF76.1@16.744,82.047
  Bottom Layer w0.254: v1@15.476,82.041 UF10.4@16.66,82.041
NetRF77_1: RF77.1 UF10.3 | length 3.3
  Top Layer w0.254: v1(15.06,81.387) RF77.1@16.744,81.387
  Bottom Layer w0.254: v1@15.06,81.391 UF10.3@16.66,81.391
NetRF78_1: RF78.1 UF10.2 | length 2.5
  Top Layer w0.254: v1(15.466,80.727) RF78.1@16.744,80.727
  Bottom Layer w0.254: v1@15.476,80.741 UF10.2@16.66,80.741
NetRF79_1: RF79.1 UF10.1 | length 3.3
  Top Layer w0.254: v1(15.06,80.067) RF79.1@16.744,80.067
  Bottom Layer w0.254: v1@15.06,80.091 UF10.1@16.66,80.091
NetRF80_1: RF80.1 UF10.15 | length 8.6
  Top Layer w0.254: v1(15.466,79.407) RF80.1@16.744,79.407
  Bottom Layer w0.152: v1(15.466,79.407) 15.833,79.774 17.628,79.774 18.595,80.741 UF10.15@22.26,80.741
NetRF81_1: RF81.1 UF11.7 | length 3.3
  Top Layer w0.254: v1(15.06,78.747) RF81.1@16.744,78.747
  Bottom Layer w0.254: v1@15.06,78.707 UF11.7@16.66,78.707
NetRF82_1: RF82.1 UF11.6 | length 2.5
  Top Layer w0.254: v1(15.466,78.087) RF82.1@16.744,78.087
  Bottom Layer w0.254: v1@15.476,78.057 UF11.6@16.66,78.057
NetRF83_1: RF83.1 UF11.5 | length 3.3
  Top Layer w0.254: v1(15.06,77.427) RF83.1@16.744,77.427
  Bottom Layer w0.254: v1@15.06,77.407 UF11.5@16.66,77.407
NetRF84_1: RF84.1 UF11.4 | length 2.5
  Top Layer w0.254: v1(15.466,76.767) RF84.1@16.744,76.767
  Bottom Layer w0.254: v1@15.476,76.757 UF11.4@16.66,76.757
NetRF85_1: RF85.1 UF11.3 | length 3.3
  Top Layer w0.254: v1(15.06,76.107) RF85.1@16.744,76.107
  Bottom Layer w0.254: v1(15.06,76.107) UF11.3@16.66,76.107
NetRF86_1: RF86.1 UF11.2 | length 2.5
  Top Layer w0.254: v1(15.466,75.447) RF86.1@16.744,75.447
  Bottom Layer w0.254: v1@15.476,75.457 UF11.2@16.66,75.457
NetRF87_1: RF87.1 UF11.1 | length 3.3
  Top Layer w0.254: v1(15.06,74.787) RF87.1@16.744,74.787
  Bottom Layer w0.254: v1@15.06,74.807 UF11.1@16.66,74.807
NetRF88_1: RF88.1 UF11.15 | length 8.6
  Top Layer w0.254: v1(15.466,74.127) RF88.1@16.744,74.127
  Bottom Layer w0.152: v1(15.466,74.127) 15.833,74.494 17.628,74.494 18.591,75.457 UF11.15@22.26,75.457
NetRF89_1: RF89.1 UF12.7 | length 3.3
  Top Layer w0.254: v1(15.06,73.467) RF89.1@16.744,73.467
  Bottom Layer w0.254: v1@15.06,73.423 UF12.7@16.66,73.423
NetRF90_1: RF90.1 UF12.6 | length 2.5
  Top Layer w0.254: v1(15.466,72.807) RF90.1@16.744,72.807
  Bottom Layer w0.254: v1@15.476,72.773 UF12.6@16.66,72.773
NetRF91_1: RF91.1 UF12.5 | length 3.3
  Top Layer w0.254: v1(15.06,72.147) RF91.1@16.744,72.147
  Bottom Layer w0.254: v1@15.06,72.123 UF12.5@16.66,72.123
NetRF92_1: RF92.1 UF12.4 | length 2.5
  Top Layer w0.254: v1(15.466,71.487) RF92.1@16.744,71.487
  Bottom Layer w0.254: v1@15.476,71.473 UF12.4@16.66,71.473
NetRF93_1: RF93.1 UF12.3 | length 3.3
  Top Layer w0.254: v1(15.06,70.827) RF93.1@16.744,70.827
  Bottom Layer w0.254: v1@15.06,70.823 UF12.3@16.66,70.823
NetRF94_1: RF94.1 UF12.2 | length 2.5
  Top Layer w0.254: v1(15.466,70.167) RF94.1@16.744,70.167
  Bottom Layer w0.254: v1@15.476,70.173 UF12.2@16.66,70.173
NetRF95_1: RF95.1 UF12.1 | length 3.3
  Top Layer w0.254: v1(15.06,69.507) RF95.1@16.744,69.507
  Bottom Layer w0.254: v1@15.06,69.523 UF12.1@16.66,69.523
NetRF96_1: RF96.1 UF12.15 | length 8.6
  Top Layer w0.254: v1(15.466,68.847) RF96.1@16.744,68.847
  Bottom Layer w0.152: v1(15.466,68.847) 15.833,69.214 17.628,69.214 18.587,70.173 UF12.15@22.26,70.173
NetRF97_1: RF97.1 UF13.7 | length 3.3
  Top Layer w0.254: v1(15.06,68.187) RF97.1@16.744,68.187
  Bottom Layer w0.254: v1@15.06,68.139 UF13.7@16.66,68.139
NetRF98_1: RF98.1 UF13.6 | length 2.5
  Top Layer w0.254: v1(15.466,67.527) RF98.1@16.744,67.527
  Bottom Layer w0.254: v1@15.476,67.489 UF13.6@16.66,67.489
NetRF99_1: RF99.1 UF13.5 | length 3.3
  Top Layer w0.254: v1(15.06,66.867) RF99.1@16.744,66.867
  Bottom Layer w0.254: v1@15.06,66.839 UF13.5@16.66,66.839
NetRF100_1: RF100.1 UF13.4 | length 2.5
  Top Layer w0.254: v1(15.466,66.207) RF100.1@16.744,66.207
  Bottom Layer w0.254: v1@15.476,66.189 UF13.4@16.66,66.189
NetRF101_1: RF101.1 UF13.3 | length 3.3
  Top Layer w0.254: v1(15.06,65.547) RF101.1@16.744,65.547
  Bottom Layer w0.254: v1@15.06,65.539 UF13.3@16.66,65.539
NetRF102_1: RF102.1 UF13.2 | length 2.5
  Top Layer w0.254: v1(15.466,64.887) RF102.1@16.744,64.887
  Bottom Layer w0.254: v1@15.476,64.889 UF13.2@16.66,64.889
NetRF103_1: RF103.1 UF13.1 | length 3.3
  Top Layer w0.254: v1(15.06,64.227) RF103.1@16.744,64.227
  Bottom Layer w0.254: v1@15.06,64.239 UF13.1@16.66,64.239
NetRF104_1: RF104.1 UF13.15 | length 8.6
  Top Layer w0.254: v1(15.466,63.567) RF104.1@16.744,63.567
  Bottom Layer w0.152: v1(15.466,63.567) 15.833,63.934 17.628,63.934 18.583,64.889 UF13.15@22.26,64.889
NetRF105_1: RF105.1 UF14.7 | length 3.3
  Top Layer w0.254: v1(15.06,62.907) RF105.1@16.744,62.907
  Bottom Layer w0.254: v1@15.06,62.855 UF14.7@16.66,62.855
NetRF106_1: RF106.1 UF14.6 | length 2.5
  Top Layer w0.254: v1(15.466,62.247) RF106.1@16.744,62.247
  Bottom Layer w0.254: v1@15.476,62.205 UF14.6@16.66,62.205
NetRF107_1: RF107.1 UF14.5 | length 3.3
  Top Layer w0.254: v1(15.06,61.587) RF107.1@16.744,61.587
  Bottom Layer w0.254: v1@15.06,61.555 UF14.5@16.66,61.555
NetRF108_1: RF108.1 UF14.4 | length 2.5
  Top Layer w0.254: v1(15.466,60.927) RF108.1@16.744,60.927
  Bottom Layer w0.254: v1@15.476,60.905 UF14.4@16.66,60.905
NetRF109_1: RF109.1 UF14.3 | length 3.3
  Top Layer w0.254: v1(15.06,60.267) RF109.1@16.744,60.267
  Bottom Layer w0.254: v1@15.06,60.255 UF14.3@16.66,60.255
NetRF110_1: RF110.1 UF14.2 | length 2.5
  Top Layer w0.254: v1(15.466,59.607) RF110.1@16.744,59.607
  Bottom Layer w0.254: v1@15.476,59.605 UF14.2@16.66,59.605
NetRF111_1: RF111.1 UF14.1 | length 3.3
  Top Layer w0.254: v1(15.06,58.947) RF111.1@16.744,58.947
  Bottom Layer w0.254: v1@15.06,58.955 UF14.1@16.66,58.955
NetRF112_1: RF112.1 UF14.15 | length 8.6
  Top Layer w0.254: v1(15.466,58.287) RF112.1@16.744,58.287
  Bottom Layer w0.152: v1(15.466,58.287) 15.833,58.654 17.628,58.654 18.579,59.605 UF14.15@22.26,59.605
NetRF113_1: RF113.1 UF15.7 | length 3.3
  Top Layer w0.254: v1(15.06,57.627) RF113.1@16.744,57.627
  Bottom Layer w0.254: v1@15.06,57.571 UF15.7@16.66,57.571
NetRF114_1: RF114.1 UF15.6 | length 2.5
  Top Layer w0.254: v1(15.466,56.967) RF114.1@16.744,56.967
  Bottom Layer w0.254: v1@15.476,56.921 UF15.6@16.66,56.921
NetRF115_1: RF115.1 UF15.5 | length 3.3
  Top Layer w0.254: v1(15.06,56.307) RF115.1@16.744,56.307
  Bottom Layer w0.254: v1@15.06,56.271 UF15.5@16.66,56.271
NetRF116_1: RF116.1 UF15.4 | length 2.5
  Top Layer w0.254: v1(15.466,55.647) RF116.1@16.744,55.647
  Bottom Layer w0.254: v1@15.476,55.621 UF15.4@16.66,55.621
NetRF117_1: RF117.1 UF15.3 | length 3.3
  Top Layer w0.254: v1(15.06,54.987) RF117.1@16.744,54.987
  Bottom Layer w0.254: v1@15.06,54.971 UF15.3@16.66,54.971
NetRF118_1: RF118.1 UF15.2 | length 2.5
  Top Layer w0.254: v1(15.466,54.327) RF118.1@16.744,54.327
  Bottom Layer w0.254: v1@15.476,54.321 UF15.2@16.66,54.321
NetRF119_1: RF119.1 UF15.1 | length 3.3
  Top Layer w0.254: v1(15.06,53.667) RF119.1@16.744,53.667
  Bottom Layer w0.254: v1@15.06,53.671 UF15.1@16.66,53.671
NetRF120_1: RF120.1 UF15.15 | length 8.6
  Top Layer w0.254: v1(15.466,53.007) RF120.1@16.744,53.007
  Bottom Layer w0.152: v1(15.466,53.007) 15.833,53.374 17.628,53.374 18.575,54.321 UF15.15@22.26,54.321
NetRF121_1: RF121.1 UF16.7 | length 3.3
  Top Layer w0.254: v1(15.06,52.347) RF121.1@16.744,52.347
  Bottom Layer w0.254: v1@15.06,52.287 UF16.7@16.66,52.287
NetRF122_1: RF122.1 UF16.6 | length 2.5
  Top Layer w0.254: v1(15.466,51.687) RF122.1@16.744,51.687
  Bottom Layer w0.254: v1@15.476,51.637 UF16.6@16.66,51.637
NetRF123_1: RF123.1 UF16.5 | length 3.3
  Top Layer w0.254: v1(15.06,51.027) RF123.1@16.744,51.027
  Bottom Layer w0.254: v1@15.06,50.987 UF16.5@16.66,50.987
NetRF124_1: RF124.1 UF16.4 | length 2.5
  Top Layer w0.254: v1(15.466,50.367) RF124.1@16.744,50.367
  Bottom Layer w0.254: v1@15.476,50.337 UF16.4@16.66,50.337
NetRF125_1: RF125.1 UF16.3 | length 3.3
  Top Layer w0.254: v1(15.06,49.707) RF125.1@16.744,49.707
  Bottom Layer w0.254: v1@15.06,49.687 UF16.3@16.66,49.687
NetRF126_1: RF126.1 UF16.2 | length 2.5
  Top Layer w0.254: v1(15.466,49.047) RF126.1@16.744,49.047
  Bottom Layer w0.254: v1@15.476,49.037 UF16.2@16.66,49.037
NetRF127_1: RF127.1 UF16.1 | length 3.3
  Top Layer w0.254: v1(15.06,48.387) RF127.1@16.744,48.387
  Bottom Layer w0.254: v1(15.06,48.387) UF16.1@16.66,48.387
NetRF128_1: RF128.1 UF16.15 | length 8.6
  Top Layer w0.254: v1(15.466,47.727) RF128.1@16.744,47.727
  Bottom Layer w0.152: v1(15.466,47.727) 15.771,48.031 17.565,48.031 18.571,49.037 UF16.15@22.26,49.037
NetRP1_2: RP1.2 UP1.7 | length 3.8
  Top Layer w0.203: RP1.2@8.519,20.924 8.519,18.83 9.015,18.334 UP1.7@10.019,18.334
NetRP2_1: RP2.1 RP3.2 UP1.5 | length 5.5
  Top Layer w0.203: RP3.2@8.519,14.32 8.519,15.049 9.264,15.794 UP1.5@10.019,15.794 11.275,15.794 11.961,16.479 RP2.1@11.961,17.179
PA0: UM1.10
PA1: UM1.11
PA5: UF1.11 UF2.11 UF3.11 UF4.11 UF5.11 UF6.11 UF7.11 UF8.11 UF9.11 UF10.11 UF11.11 UF12.11 UF13.11 UF14.11 UF15.11 UF16.11 UM1.15 | length 164.2
  Top Layer w0.203: UM1.15@18.388,43.956 17.752,44.592 17.752,45.324 19.159,46.731 24.382,46.731 25.245,47.594 25.245,48.89 26.566,50.211 v1(26.566,51.106)
  Top Layer w0.279: v1(23.467,51.637) 26.035,51.637 v1(26.566,51.106) ; v1(23.467,56.921) 26.035,56.921 v1(26.566,56.39) ; v1(23.467,62.205) 26.035,62.205 v1(26.566,61.674) ; v1(23.467,67.489) 26.035,67.489 v1(26.566,66.958) ; v1(23.467,72.773) 26.035,72.773 v1(26.566,72.242) ; v1(23.467,78.057) 26.035,78.057 v1(26.566,77.526) ; v1(23.467,83.341) 26.035,83.341 v1(26.566,82.81) ; v1(23.467,88.625) 26.035,88.625 v1(26.566,88.094) ; v1(23.467,93.909) 26.035,93.909 v1(26.566,93.378) ; v1(23.467,99.193) 26.035,99.193 v1(26.566,98.662) ; v1(23.467,104.477) 26.035,104.477 v1(26.566,103.946) ; v1(23.467,109.761) 26.035,109.761 v1(26.566,109.23) ; v1(23.467,115.045) 26.035,115.045 v1(26.566,114.514) ; v1(23.467,120.329) 26.035,120.329 v1(26.566,119.798) ; v1(23.467,125.613) 26.035,125.613 v1(26.566,125.082)
  Bottom Layer w0.254: v1(26.566,51.106) v1(26.566,56.39) v1(26.566,61.674) v1(26.566,66.958) v1(26.566,72.242) v1(26.566,77.526) v1(26.566,82.81) v1(26.566,88.094) v1(26.566,93.378) v1(26.566,98.662) v1(26.566,103.946) v1(26.566,109.23) v1(26.566,114.514) v1(26.566,119.798) v1(26.566,125.082) 26.566,127.438
  Bottom Layer w0.279: UF16.11@22.26,51.637 v1(23.467,51.637) ; UF15.11@22.26,56.921 v1(23.467,56.921) ; UF14.11@22.26,62.205 v1(23.467,62.205) ; UF13.11@22.26,67.489 v1(23.467,67.489) ; UF12.11@22.26,72.773 v1(23.467,72.773) ; UF11.11@22.26,78.057 v1(23.467,78.057) ; UF10.11@22.26,83.341 v1(23.467,83.341) ; UF9.11@22.26,88.625 v1(23.467,88.625) ; UF8.11@22.26,93.909 v1(23.467,93.909) ; UF7.11@22.26,99.193 v1(23.467,99.193) ; UF6.11@22.26,104.477 v1(23.467,104.477) ; UF5.11@22.26,109.761 v1(23.467,109.761) ; UF4.11@22.26,115.045 v1(23.467,115.045) ; UF3.11@22.26,120.329 v1(23.467,120.329) ; UF2.11@22.26,125.613 v1(23.467,125.613) ; UF1.11@22.26,130.896 23.263,130.896 26.566,127.593 26.566,127.438
PA6: UM1.16
PA7: UF16.14 UM1.17 | length 13.3
  Top Layer w0.203: UM1.17@17.681,43.249 17.041,43.889 17.041,45.08 19.022,47.061 22.934,47.061 v1(23.467,47.594)
  Bottom Layer w0.254: UF16.14@22.26,49.687 23.426,49.687 24.077,49.036 24.077,48.204 v1(23.467,47.594)
PA9: PM1.2 UM1.30 | length 7.1
  Top Layer w0.203: PM1.2@14.917,30.957 14.917,35.146 UM1.30@16.974,37.203
PA10: PM1.1 UM1.31 | length 7.6
  Top Layer w0.203: UM1.31@17.328,36.85 15.39,34.912 15.39,33.024 PM1.1@17.457,30.957
PA11: UM1.32 US1.6 | length 107.3
  Top Layer w0.203: v1@16.865,35.68 UM1.32@17.681,36.496
  Top Layer w0.254: v1(15.094,36.291) 15.069,36.316 14.732,36.316 11.529,39.519 11.529,42.683 13.012,44.165 13.019,44.165 13.257,44.403 13.257,132.293 14.319,133.356 16.874,133.356 17.457,133.938 US1.6@17.457,134.735
  Bottom Layer w0.203: v1(15.094,36.291) 15.754,35.631 v1(16.914,35.631)
PA12: UM1.33 US1.7 | length 108.1
  Top Layer w0.203: 12.85,44.572 11.148,42.87 11.148,39.11 v1(14.526,35.732) ; v1(16.307,34.917) 16.99,34.917 17.473,35.4 17.473,35.581 UM1.33@18.035,36.143
  Top Layer w0.254: 12.85,44.572 12.85,132.462 14.19,133.802 16.187,133.802 US1.7@16.187,134.735
  Bottom Layer w0.203: v1(14.526,35.732) 15.341,34.917 v1(16.307,34.917)
PA13: SWD1.2 UM1.34 | length 9.6
  Top Layer w0.203: UM1.34@18.388,35.789 19.068,36.469 19.359,36.469 19.997,35.831 19.997,35.241 22.832,32.405 23.629,32.405 SWD1.2@25.077,30.957
PA14: SWD1.1 UM1.37 | length 8.4
  Top Layer w0.203: UM1.37@20.899,35.082 23.017,32.964 25.61,32.964 SWD1.1@27.617,30.957
PA15: UM1.38
PB0: UM1.18
PB2: UM1.20
PB3: UM1.39
PB4: UM1.40
PB5: UM1.41
PB7: UM1.43
PB8: UM1.45
PB9: UM1.46
PB10: UM1.21
PB11: UM1.22
PB12: UM1.25 US1.3 | length 104.3
  Top Layer w0.254: UM1.25@15.206,38.971 14.66,38.425 14.4,38.425 12.757,40.068 12.757,42.186 13.517,42.946 13.524,42.946 14.476,43.898 14.476,131.788 14.824,132.137 19.44,132.137 21.267,133.964 US1.3@21.267,134.735
PB13: UM1.26 US1.4 | length 104.5
  Top Layer w0.254: UM1.26@15.56,38.618 14.961,38.019 14.222,38.019 12.35,39.89 12.35,42.354 13.349,43.353 13.355,43.353 14.069,44.067 14.069,131.957 14.656,132.543 18.475,132.543 19.997,134.065 US1.4@19.997,134.735
PB14: UM1.27
PB15: UM1.28 US1.5 | length 105.4
  Top Layer w0.254: UM1.28@16.267,37.911 15.613,37.257 14.4,37.257 11.936,39.72 11.936,42.514 13.18,43.759 13.187,43.759 13.663,44.235 13.663,132.125 14.487,132.949 17.738,132.949 18.727,133.938 US1.5@18.727,134.735
PD0: CM3.2 UM1.5 YM1.2 | length 9
  Top Layer w0.203: UM1.5@23.373,42.189 24.868,43.683 28.408,43.683 29.746,45.021 YM1.2@29.746,45.136 ; YM1.2@29.75,45.016 CM3.2@31.113,45.016
PD1: CM4.2 UM1.6 YM1.1 | length 9.6
  Top Layer w0.203: UM1.6@23.02,42.542 24.516,44.038 25.474,44.038 26.497,45.061 26.497,47.144 YM1.1@27.646,48.293 ; YM1.1@27.646,48.636 CM4.2@27.646,50.021
RST: CM1.2 RM1.1 RST1.2 UM1.7 | length 16.3
  Top Layer w0.203: UM1.7@22.666,42.896 21.994,42.224 21.994,41.882 24.003,39.873 27.125,39.873 29.246,37.752 CM1.2@29.246,35.402 RST1.2@32.958,35.402
SDO9: UF1.14 UF2.9 | length 5
  Bottom Layer w0.254: UF2.9@22.26,126.913 23.588,126.913 24.077,127.401 24.077,128.341 23.472,128.946 UF1.14@22.26,128.946
SDO17: UF2.14 UF3.9 | length 5
  Bottom Layer w0.254: UF3.9@22.26,121.629 23.659,121.629 24.077,122.047 24.077,123.012 23.426,123.663 UF2.14@22.26,123.663
SDO25: UF3.14 UF4.9 | length 5
  Bottom Layer w0.254: UF4.9@22.26,116.345 23.659,116.345 24.077,116.763 24.077,117.728 23.426,118.379 UF3.14@22.26,118.379
SDO33: UF4.14 UF5.9 | length 5
  Bottom Layer w0.254: UF5.9@22.26,111.061 23.659,111.061 24.077,111.479 24.077,112.444 23.426,113.095 UF4.14@22.26,113.095
SDO41: UF5.14 UF6.9 | length 5
  Bottom Layer w0.254: UF6.9@22.26,105.777 23.659,105.777 24.077,106.195 24.077,107.16 23.426,107.811 UF5.14@22.26,107.811
SDO49: UF6.14 UF7.9 | length 5
  Bottom Layer w0.254: UF7.9@22.26,100.493 23.659,100.493 24.077,100.911 24.077,101.876 23.426,102.527 UF6.14@22.26,102.527
SDO57: UF7.14 UF8.9 | length 5
  Bottom Layer w0.254: UF8.9@22.26,95.209 23.659,95.209 24.077,95.627 24.077,96.592 23.426,97.243 UF7.14@22.26,97.243
SDO65: UF8.14 UF9.9 | length 5
  Bottom Layer w0.254: UF9.9@22.26,89.925 23.659,89.925 24.077,90.343 24.077,91.308 23.426,91.959 UF8.14@22.26,91.959
SDO73: UF9.14 UF10.9 | length 5
  Bottom Layer w0.254: UF10.9@22.26,84.641 23.659,84.641 24.077,85.059 24.077,86.024 23.426,86.675 UF9.14@22.26,86.675
SDO81: UF10.14 UF11.9 | length 5
  Bottom Layer w0.254: UF11.9@22.26,79.357 23.659,79.357 24.077,79.775 24.077,80.74 23.426,81.391 UF10.14@22.26,81.391
SDO89: UF11.14 UF12.9 | length 5
  Bottom Layer w0.254: UF12.9@22.26,74.073 23.659,74.073 24.077,74.491 24.077,75.456 23.426,76.107 UF11.14@22.26,76.107
SDO97: UF12.14 UF13.9 | length 5
  Bottom Layer w0.254: UF13.9@22.26,68.789 23.659,68.789 24.077,69.207 24.077,70.172 23.426,70.823 UF12.14@22.26,70.823
SDO105: UF13.14 UF14.9 | length 5
  Bottom Layer w0.254: UF14.9@22.26,63.505 23.659,63.505 24.077,63.923 24.077,64.888 23.426,65.539 UF13.14@22.26,65.539
SDO113: UF14.14 UF15.9 | length 5
  Bottom Layer w0.254: UF15.9@22.26,58.221 23.659,58.221 24.077,58.639 24.077,59.604 23.426,60.255 UF14.14@22.26,60.255
SDO121: UF15.14 UF16.9 | length 5
  Bottom Layer w0.254: UF16.9@22.26,52.937 23.659,52.937 24.077,53.355 24.077,54.32 23.426,54.971 UF15.14@22.26,54.971
pads on no net: BAT.0 UF1.9 UM1.2 UP1.1 UP1.6 UP1.8 US1.8 YM1.3 YM1.4 YM2.3

## Polygon pours and split planes (outlines as drawn)
GND on Top Layer "Bottom Layer-No Net" (solid, remove dead copper, pour order 4): 0,0 40,0 40,139.997 0,140
GND on Bottom Layer "Bottom Layer-No Net" (solid, remove dead copper, pour order 3): 0,0 40,0 40,139.997 0,140

## Keep-outs
Keep-Out Layer:
  lines w0.254: 27.683,139.997 27.683,137.485 30.754,137.485 ; 27.683,139.998 30.5,140 cw(c30.5,135.5) 35,135.5 35,73.5 ccw(c55.686,73.359) 37.5,63.5 cw(c19.314,53.641) 40,53.5 40,4.5 cw(c35.5,4.5) 35.5,0 4.5,0 cw(c4.5,4.5) 0,4.5 0,53.5 cw(c20.686,53.641) 2.5,63.5 ccw(c-15.686,73.359) 5,73.5 5,135.5 cw(c9.5,135.5) 9.5,140 12.317,140 12.317,137.488 9.247,137.488 ccw(c9.247,136.788) 9.247,136.088 30.747,136.088 ccw(c30.747,136.788) 30.747,137.488

## Other copper
Top Layer:
  pour cut-out: 30.727,47.455 30.727,46.101 30.48,46.101 30.48,47.455
  pour cut-out: 21.336,131.902 21.336,47.346 20.117,47.346 20.117,131.902

## Silkscreen, mask and mechanical layers (free items; w line width, h text height)
Top Overlay:
  circle w0.254: c7.997,53.397 r2
  circle w0.254: c7.997,41.397 r2
  circle w0.254: c31.997,53.397 r2
  circle w0.254: c31.997,41.397 r2
  lines w0.254: 19.397,47.397 20.597,47.397 ; 19.997,46.797 19.997,47.997
  text "GND" at 9.627,28.29 h2.03
  text "TX" at 13.437,28.265 h2.03
  text "RX" at 15.697,28.265 h2.03
  text "VCC GND TMS TCK" at 24.689,23.007 h2.03
Bottom Overlay:
  text "ZJK 2016/12/4" at 27.051,133.731 h2.54
Bottom Solder:
  rectangle: 1,19.5 7.5,26
  rectangle: 25,19.5 31.5,26
  rectangle: 32.5,19.5 39,26
  rectangle: 3,1.068 37,4
  rectangle: 32.5,4.5 39,11
  rectangle: 25,4.5 31.5,11
  rectangle: 17.5,4.5 22.5,11
  rectangle: 8.5,4.5 15,11
  rectangle: 1,4.5 7.5,11
  rectangle: 32.5,12 39,18.5
  rectangle: 25,12 31.5,18.5
  rectangle: 16,12 24,18.5
  rectangle: 8.5,12 15,18.5
  rectangle: 1,12 7.5,18.5
  rectangle: 1,26.5 9.5,37
  rectangle: 31.5,26.5 39,39.5
  rectangle: 6.018,127 14,133.5
  rectangle: 28,127 34,133.5
  rectangle: 28,118.5 34,126.5
  rectangle: 6.018,118.5 14,126.5
  rectangle: 28,110 34,118
  rectangle: 6.018,110 14,118
  rectangle: 28,101.5 34,109.5
  rectangle: 6.018,101.5 14,109.5
  rectangle: 28,93 34,101
  rectangle: 6.018,93 14,101
  rectangle: 28,84.5 34,92.5
  rectangle: 6.018,84.5 14,92.5
  rectangle: 28,76 34,84
  rectangle: 6.018,76 14,84
  rectangle: 28,67.5 34,75.5
  rectangle: 6.018,67.5 14,75.5
  rectangle: 28,59 35,67
  rectangle: 5,59 14,67
  region: 8.5,26 9.5,26 9.5,24.086 14,19.5 8.5,19.5
  region: 15,26 11.901,26 11.901,24.841 15,21.742
  region: 17,26 20,26 21,25 24,25 24,19.5 22.5,19.5 17,19.5